# Altium PCB STM32F207VC.PcbDoc (part 14 of 16) (continued)
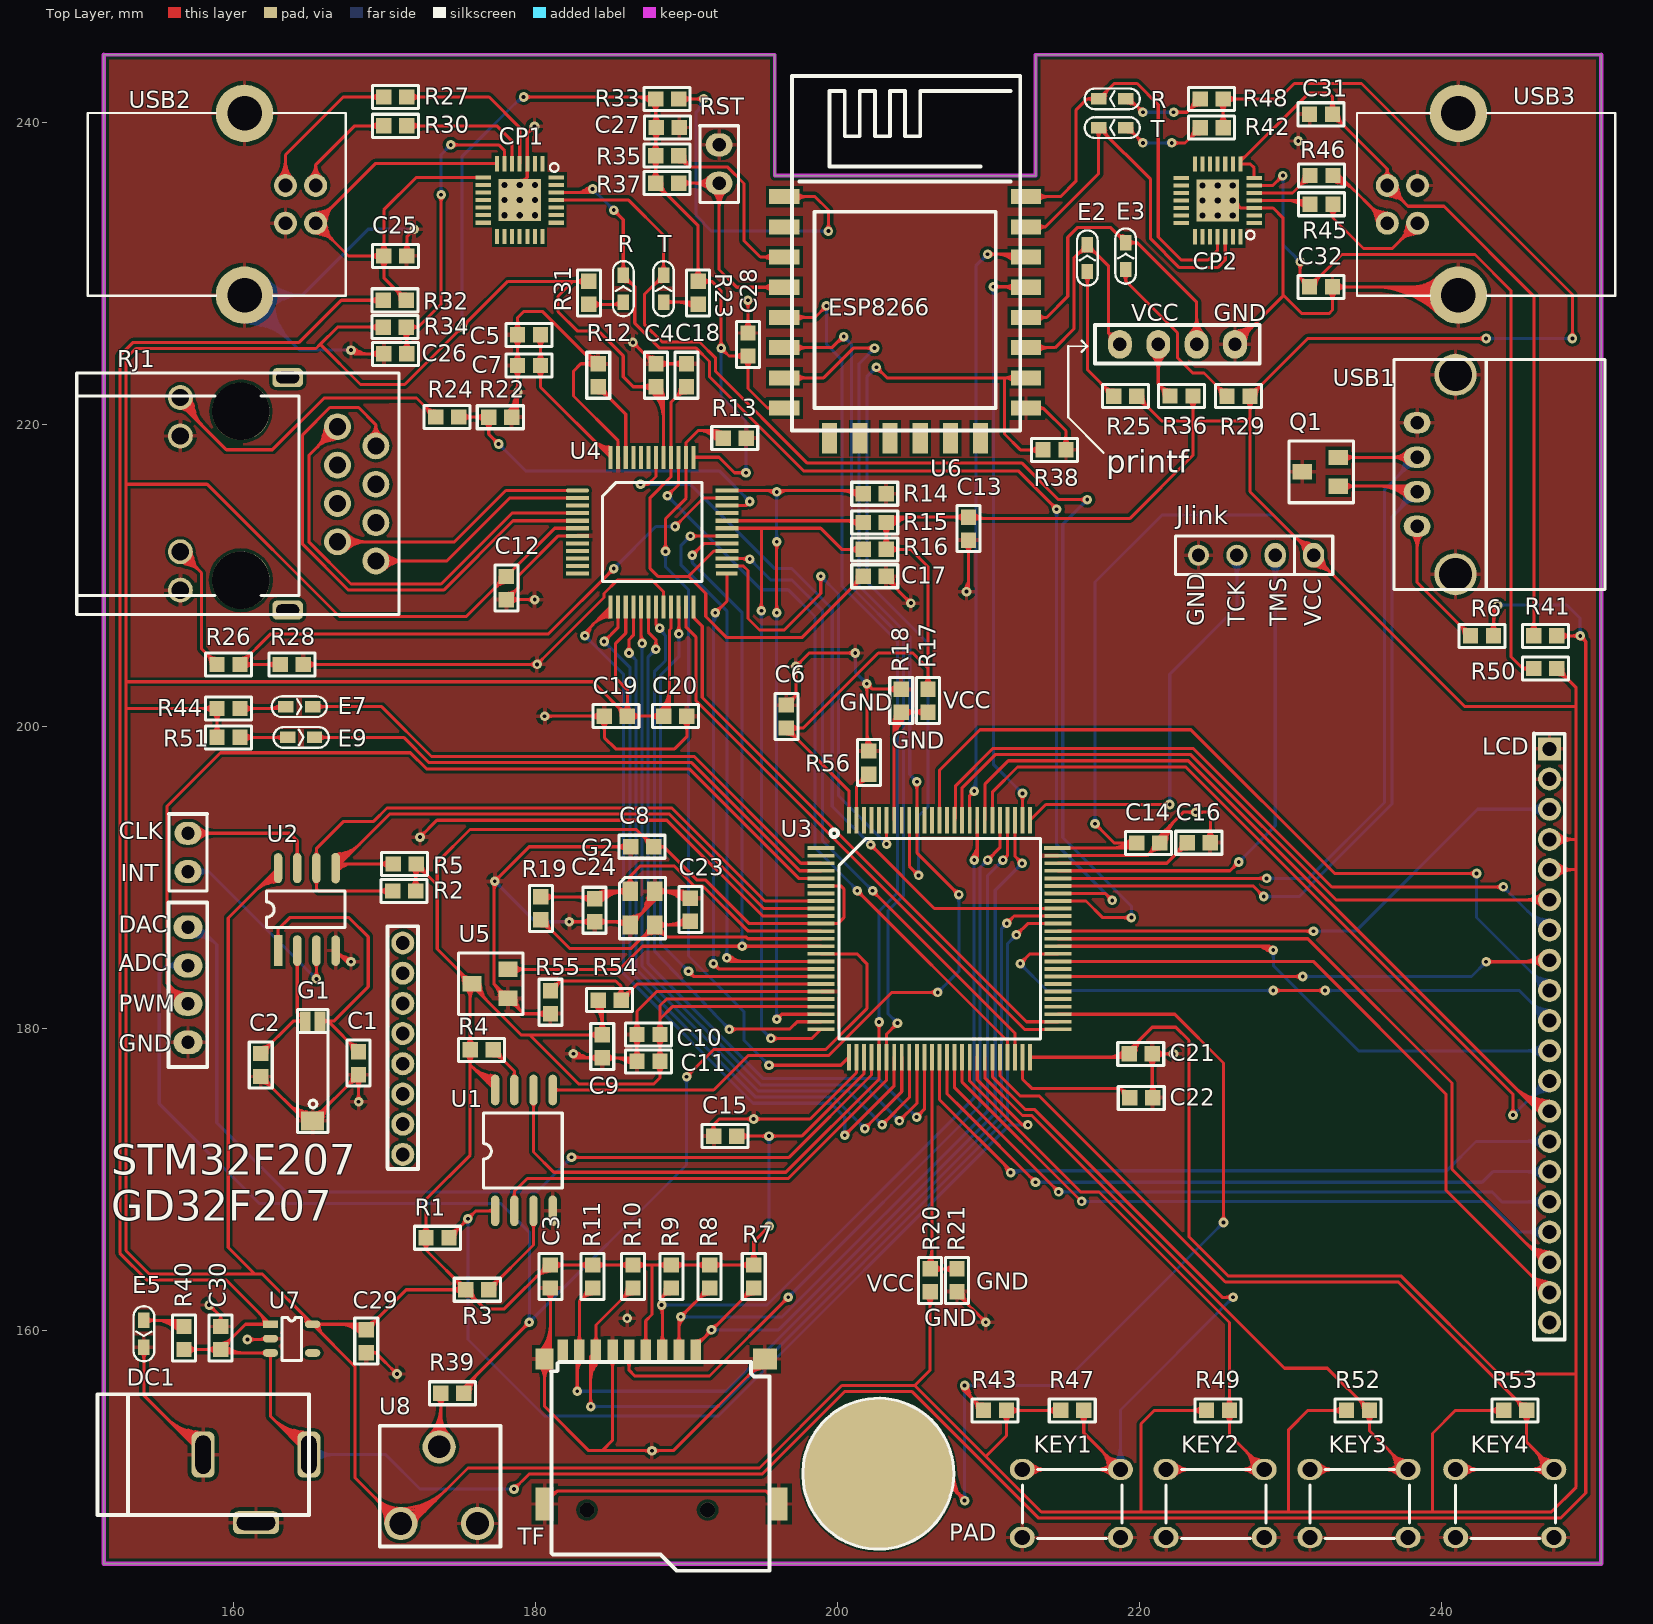
[diagram p0: Top Layer view]
## Nets (pads, with @x,y where several pads share a name; then routed paths per layer and width w, separated by ;. In a path a pad name is that pad's centre, name@x,y a point inside that pad or via, vN(x,y) a via of type N, cw(c..) or ccw(c..) an arc to the next point about the centre after c; other vN are vias at no path point) (continued)
R3.1@174.963,162.681 ; 174.676,163.375 ccw(c175.37,164.069) R3.1@175.37,163.087 ; 174.676,163.375 cw(c173.982,162.681) R3.1@174.963,162.681 ; 174.764,226.072 cw(c175.133,225.704) v1@175.133,226.225 ; 174.764,226.072 ccw(c174.396,226.441) v1@174.917,226.441 ; 174.764,226.072 cw(c175.133,225.704) v1@175.133,226.225 ; 174.764,226.072 ccw(c174.396,226.441) v1@174.917,226.441 ; 174.764,226.072 ccw(c174.396,226.441) v1@174.917,226.441 ; 174.764,226.072 cw(c175.133,225.704) v1@175.133,226.225 ; 174.764,226.072 ccw(c174.396,226.441) v1@174.917,226.441 ; 174.764,226.072 cw(c175.133,225.704) v1@175.133,226.225 ; 174.826,163.193 ccw(c175.512,163.377) R3.1@175.37,162.681 ; 174.826,163.193 ccw(c175.512,163.377) R3.1@175.37,162.681 ; 174.826,163.193 ccw(c175.512,163.377) R3.1@175.37,162.681 ; 174.826,163.193 ccw(c175.512,163.377) R3.1@175.37,162.681 ; 174.826,163.193 ccw(c175.512,163.377) R3.1@175.37,162.681 ; 174.826,163.193 ccw(c175.512,163.377) R3.1@175.37,162.681 ; 174.839,226.149 cw(c175.213,226.049) v1@175.136,226.429 ; 174.839,226.149 cw(c175.213,226.049) v1@175.136,226.429 ; 174.839,226.149 cw(c175.213,226.049) v1@175.136,226.429 ; 174.839,226.149 cw(c175.213,226.049) v1@175.136,226.429 ; 174.839,226.149 cw(c175.213,226.049) v1@175.136,226.429 ; 174.839,226.149 cw(c175.213,226.049) v1@175.136,226.429 ; 174.841,226.147 ccw(c174.741,226.521) v1@175.121,226.444 ; 174.841,226.147 ccw(c174.741,226.521) v1@175.121,226.444 ; 174.841,226.147 ccw(c174.741,226.521) v1@175.121,226.444 ; 174.841,226.147 ccw(c174.741,226.521) v1@175.121,226.444 ; 174.841,226.147 ccw(c174.741,226.521) v1@175.121,226.444 ; 174.841,226.147 ccw(c174.741,226.521) v1@175.121,226.444 ; 174.858,163.225 cw(c174.674,162.539) R3.1@175.37,162.681 ; 174.858,163.225 cw(c174.674,162.539) R3.1@175.37,162.681 ; 174.858,163.225 cw(c174.674,162.539) R3.1@175.37,162.681 ; 174.858,163.225 cw(c174.674,162.539) R3.1@175.37,162.681 ; 174.858,163.225 cw(c174.674,162.539) R3.1@175.37,162.681 ; 174.858,163.225 cw(c174.674,162.539) R3.1@175.37,162.681 ; 174.872,183.857 cw(c173.961,182.946) U5.3@175.249,182.946 ; 174.872,183.857 cw(c173.961,182.946) U5.3@175.249,182.946 ; 174.872,183.857 cw(c173.961,182.946) U5.3@175.249,182.946 ; 174.872,183.857 cw(c173.961,182.946) U5.3@175.249,182.946 ; 175.092,183.533 ccw(c175.907,183.752) U5.3@175.656,182.946 ; 175.092,183.533 ccw(c175.907,183.752) U5.3@175.656,182.946 ; 175.092,183.533 ccw(c175.907,183.752) U5.3@175.656,182.946 ; 175.092,183.533 ccw(c175.907,183.752) U5.3@175.656,182.946 ; 175.092,183.533 ccw(c175.907,183.752) U5.3@175.656,182.946 ; v1@175.13,226.453 ccw(c175.053,226.833) 175.427,226.733 ; v1@175.13,226.453 ccw(c175.053,226.833) 175.427,226.733 ; v1@175.13,226.453 ccw(c175.053,226.833) 175.427,226.733 ; v1@175.13,226.453 ccw(c175.053,226.833) 175.427,226.733 ; v1@175.13,226.453 ccw(c175.053,226.833) 175.427,226.733 ; v1@175.13,226.453 ccw(c175.053,226.833) 175.427,226.733 ; v1@175.133,226.657 ccw(c175.133,227.178) 175.502,226.81 ; v1@175.133,226.657 ccw(c175.133,227.178) 175.502,226.81 ; v1@175.133,226.657 ccw(c175.133,227.178) 175.502,226.81 ; v1@175.133,226.657 ccw(c175.133,227.178) 175.502,226.81 ; v1@175.145,226.438 cw(c175.525,226.361) 175.425,226.735 ; v1@175.145,226.438 cw(c175.525,226.361) 175.425,226.735 ; v1@175.145,226.438 cw(c175.525,226.361) 175.425,226.735 ; v1@175.145,226.438 cw(c175.525,226.361) 175.425,226.735 ; v1@175.145,226.438 cw(c175.525,226.361) 175.425,226.735 ; v1@175.145,226.438 cw(c175.525,226.361) 175.425,226.735 ; 175.179,183.55 ccw(c175.656,184.027) U5.3@175.656,183.352 ; 175.179,183.55 ccw(c175.656,184.027) U5.3@175.656,183.352 ; 175.179,183.55 ccw(c175.656,184.027) U5.3@175.656,183.352 ; 175.179,183.55 ccw(c175.656,184.027) U5.3@175.656,183.352 ; U5.3@175.187,183.177 ccw(c175.777,183.335) U5.3@175.595,182.752 ; U5.3@175.187,183.177 ccw(c175.777,183.335) U5.3@175.595,182.752 ; U5.3@175.187,183.177 ccw(c175.777,183.335) U5.3@175.595,182.752 ; U5.3@175.187,183.177 ccw(c175.777,183.335) U5.3@175.595,182.752 ; U5.3@175.187,183.177 ccw(c175.777,183.335) U5.3@175.595,182.752 ; 175.219,183.51 cw(c174.655,182.946) U5.3@175.452,182.946 ; 175.219,183.51 cw(c174.655,182.946) U5.3@175.452,182.946 ; 175.219,183.51 cw(c174.655,182.946) U5.3@175.452,182.946 ; 175.219,183.51 cw(c174.655,182.946) U5.3@175.452,182.946 ; v1@175.349,226.441 cw(c175.87,226.441) 175.502,226.81 ; v1@175.349,226.441 cw(c175.87,226.441) 175.502,226.81 ; v1@175.349,226.441 cw(c175.87,226.441) 175.502,226.81 ; v1@175.349,226.441 cw(c175.87,226.441) 175.502,226.81 ; U5.3@175.368,182.659 cw(c174.668,181.958) 175.658,181.958 ; U5.3@175.368,182.659 cw(c174.668,181.958) 175.658,181.958 ; U5.3@175.368,182.659 cw(c174.668,181.958) 175.658,181.958 ; U5.3@175.368,182.659 cw(c174.668,181.958) 175.658,181.958 ; R3.1@175.37,162.275 cw(c175.37,161.294) 176.063,161.987 ; R3.1@175.37,162.275 cw(c175.37,161.294) 176.063,161.987 ; R3.1@175.37,162.275 cw(c175.37,161.294) 176.063,161.987 ; R3.1@175.37,162.275 cw(c175.37,161.294) 176.063,161.987 ; R3.1@175.37,162.681 cw(c175.227,161.985) 175.913,162.169 ; R3.1@175.37,162.681 cw(c175.227,161.985) 175.913,162.169 ; R3.1@175.37,162.681 ccw(c176.065,162.824) 175.882,162.137 ; R3.1@175.37,162.681 ccw(c176.065,162.824) 175.882,162.137 ; R3.1@175.37,162.681 cw(c175.227,161.985) 175.913,162.169 ; R3.1@175.37,162.681 ccw(c176.065,162.824) 175.882,162.137 ; R3.1@175.37,162.681 ccw(c176.065,162.824) 175.882,162.137 ; R3.1@175.37,162.681 ccw(c176.065,162.824) 175.882,162.137 ; R3.1@175.37,162.681 ccw(c176.065,162.824) 175.882,162.137 ; R3.1@175.37,162.681 cw(c175.227,161.985) 175.913,162.169 ; R3.1@175.37,162.681 cw(c175.227,161.985) 175.913,162.169 ; R3.1@175.37,162.681 cw(c175.227,161.985) 175.913,162.169 ; R3.1@175.37,162.681 176.634,161.417 177.927,161.417 180.831,164.321 C3.1@180.969,164.321 ; R4.2@175.371,178.281 cw(c174.677,177.587) 175.658,177.587 ; R4.2@175.371,178.281 cw(c174.677,177.587) 175.658,177.587 ; R4.2@175.371,178.281 cw(c174.677,177.587) 175.658,177.587 ; R4.2@175.371,178.281 cw(c174.677,177.587) 175.658,177.587 ; R4.2@175.371,178.855 ccw(c174.677,179.549) 175.658,179.549 ; R4.2@175.371,178.855 ccw(c174.677,179.549) 175.658,179.549 ; R4.2@175.371,178.855 ccw(c174.677,179.549) 175.658,179.549 ; R4.2@175.371,178.855 ccw(c174.677,179.549) 175.658,179.549 ; 175.658,177.567 R4.2@175.658,178.568 175.658,182.822 U5.3@175.783,182.946 ; 175.658,177.587 cw(c176.64,177.587) R4.2@175.946,178.281 ; 175.658,177.587 cw(c176.64,177.587) R4.2@175.946,178.281 ; 175.658,177.587 cw(c176.64,177.587) R4.2@175.946,178.281 ; 175.658,177.587 cw(c176.64,177.587) R4.2@175.946,178.281 ; 175.658,179.549 ccw(c176.64,179.549) R4.2@175.946,178.855 ; 175.658,179.549 ccw(c176.64,179.549) R4.2@175.946,178.855 ; 175.658,179.549 ccw(c176.64,179.549) R4.2@175.946,178.855 ; 175.658,179.549 ccw(c176.64,179.549) R4.2@175.946,178.855 ; 175.658,181.972 cw(c176.63,181.972) U5.3@175.943,182.659 ; 175.658,181.972 cw(c176.63,181.972) U5.3@175.943,182.659 ; 175.658,181.972 cw(c176.63,181.972) U5.3@175.943,182.659 ; 175.658,181.972 cw(c176.63,181.972) U5.3@175.943,182.659 ; 175.755,177.47 ccw(c177.316,179.031) U1.8@177.316,176.824 ; 175.755,177.47 ccw(c177.316,179.031) U1.8@177.316,176.824 ; 175.755,177.47 ccw(c177.316,179.031) U1.8@177.316,176.824 ; 175.755,177.47 ccw(c177.316,179.031) U1.8@177.316,176.824 ; R3.1@175.776,162.681 ccw(c176.757,162.681) 176.063,161.987 ; R3.1@175.776,162.681 ccw(c176.757,162.681) 176.063,161.987 ; R3.1@175.776,162.681 ccw(c176.757,162.681) 176.063,161.987 ; R3.1@175.776,162.681 ccw(c176.757,162.681) 176.063,161.987 ; U5.3@175.783,182.946 175.783,182.807 179.029,179.561 179.705,179.561 ; U5.3@175.868,182.747 cw(c175.762,182.235) 176.267,182.37 ; U5.3@175.868,182.747 cw(c175.762,182.235) 176.267,182.37 ; U5.3@175.868,182.747 cw(c175.762,182.235) 176.267,182.37 ; U5.3@175.868,182.747 cw(c175.762,182.235) 176.267,182.37 ; U5.3@175.868,182.747 cw(c175.762,182.235) 176.267,182.37 ; U5.3@175.868,182.747 cw(c175.762,182.235) 176.267,182.37 ; U5.3@175.91,182.54 cw(c175.91,182.2) U5.3@176.15,182.44 ; U5.3@175.91,182.54 cw(c175.91,182.2) U5.3@176.15,182.44 ; U5.3@175.91,182.54 cw(c175.91,182.2) U5.3@176.15,182.44 ; U5.3@175.91,182.54 cw(c175.91,182.2) U5.3@176.15,182.44 ; U5.3@175.91,182.946 cw(c175.521,182.015) 176.495,182.276 ; U5.3@175.91,182.946 cw(c175.521,182.015) 176.495,182.276 ; U5.3@175.91,182.946 cw(c175.521,182.015) 176.495,182.276 ; U5.3@175.91,182.946 cw(c175.521,182.015) 176.495,182.276 ; U5.3@175.91,182.946 cw(c175.521,182.015) 176.495,182.276 ; U5.3@175.988,183.134 cw(c175.722,182.497) U5.3@176.388,182.676 ; U5.3@175.988,183.134 cw(c175.722,182.497) U5.3@176.388,182.676 ; U5.3@175.988,183.134 cw(c175.722,182.497) U5.3@176.388,182.676 ; U5.3@175.988,183.134 cw(c175.722,182.497) U5.3@176.388,182.676 ; U5.3@175.988,183.134 cw(c175.722,182.497) U5.3@176.388,182.676 ; 176.102,177.123 ccw(c177.316,178.338) U1.8@177.316,176.621 ; 176.102,177.123 ccw(c177.316,178.338) U1.8@177.316,176.621 ; 176.102,177.123 ccw(c177.316,178.338) U1.8@177.316,176.621 ; 176.102,177.123 ccw(c177.316,178.338) U1.8@177.316,176.621 ; U5.3@176.113,182.946 ccw(c177.245,182.946) 176.444,182.145 ; U5.3@176.113,182.946 ccw(c177.245,182.946) 176.444,182.145 ; U5.3@176.113,182.946 ccw(c177.245,182.946) 176.444,182.145 ; U5.3@176.113,182.946 ccw(c177.245,182.946) 176.444,182.145 ; U5.3@176.23,182.507 cw(c176.531,182.587) U5.3@176.261,182.743 ; U5.3@176.23,182.507 cw(c176.531,182.587) U5.3@176.261,182.743 ; U5.3@176.23,182.507 cw(c176.531,182.587) U5.3@176.261,182.743 ; U5.3@176.23,182.507 cw(c176.531,182.587) U5.3@176.261,182.743 ; U5.3@176.23,182.507 cw(c176.531,182.587) U5.3@176.261,182.743 ; U5.3@176.23,182.507 cw(c176.531,182.587) U5.3@176.261,182.743 ; U5.3@176.316,182.946 ccw(c177.939,182.946) 176.791,181.798 ; U5.3@176.316,182.946 ccw(c177.939,182.946) 176.791,181.798 ; U5.3@176.316,182.946 ccw(c177.939,182.946) 176.791,181.798 ; U5.3@176.316,182.946 ccw(c177.939,182.946) 176.791,181.798 ; 176.449,176.777 ccw(c177.316,177.644) U1.8@177.316,176.417 ; 176.449,176.777 ccw(c177.316,177.644) U1.8@177.316,176.417 ; 176.449,176.777 ccw(c177.316,177.644) U1.8@177.316,176.417 ; 176.449,176.777 ccw(c177.316,177.644) U1.8@177.316,176.417 ; 176.519,176.988 cw(c176.312,175.985) U1.8@177.167,176.548 ; 176.519,176.988 cw(c176.312,175.985) U1.8@177.167,176.548 ; 176.519,176.988 cw(c176.312,175.985) U1.8@177.167,176.548 ; 176.519,176.988 cw(c176.312,175.985) U1.8@177.167,176.548 ; 176.519,176.988 cw(c176.312,175.985) U1.8@177.167,176.548 ; 176.796,176.43 ccw(c177.316,176.95) U1.8@177.316,176.214 ; 176.796,176.43 ccw(c177.316,176.95) U1.8@177.316,176.214 ; 176.796,176.43 ccw(c177.316,176.95) U1.8@177.316,176.214 ; 176.796,176.43 ccw(c177.316,176.95) U1.8@177.316,176.214 ; 176.838,176.749 ccw(c176.971,177.244) U1.8@177.227,176.8 ; 176.838,176.749 ccw(c176.971,177.244) U1.8@177.227,176.8 ; 176.838,176.749 ccw(c176.971,177.244) U1.8@177.227,176.8 ; 176.838,176.749 ccw(c176.971,177.244) U1.8@177.227,176.8 ; 176.838,176.749 ccw(c176.971,177.244) U1.8@177.227,176.8 ; 176.838,176.749 ccw(c176.971,177.244) U1.8@177.227,176.8 ; 176.952,176.718 cw(c176.863,176.384) U1.8@177.162,176.557 ; 176.952,176.718 cw(c176.863,176.384) U1.8@177.162,176.557 ; 176.952,176.718 cw(c176.863,176.384) U1.8@177.162,176.557 ; 176.952,176.718 cw(c176.863,176.384) U1.8@177.162,176.557 ; 176.952,176.718 cw(c176.863,176.384) U1.8@177.162,176.557 ; 176.952,176.718 cw(c176.863,176.384) U1.8@177.162,176.557 ; 176.999,176.889 cw(c176.892,176.367) U1.8@177.337,176.66 ; 176.999,176.889 cw(c176.892,176.367) U1.8@177.337,176.66 ; 176.999,176.889 cw(c176.892,176.367) U1.8@177.337,176.66 ; 176.999,176.889 cw(c176.892,176.367) U1.8@177.337,176.66 ; 176.999,176.889 cw(c176.892,176.367) U1.8@177.337,176.66 ; U1.8@177.143,176.083 ccw(c177.316,176.256) U1.8@177.316,176.011 ; U1.8@177.143,176.083 ccw(c177.316,176.256) U1.8@177.316,176.011 ; U1.8@177.143,176.083 ccw(c177.316,176.256) U1.8@177.316,176.011 ; U1.8@177.143,176.083 ccw(c177.316,176.256) U1.8@177.316,176.011 ; 177.366,209.22 cw(c178.06,208.526) C12.2@178.06,209.507 ; 177.366,209.22 ccw(c176.672,209.914) C12.2@177.654,209.914 ; 177.366,209.22 cw(c178.06,208.526) C12.2@178.06,209.507 ; 177.366,209.22 ccw(c176.672,209.914) C12.2@177.654,209.914 ; 177.366,209.22 ccw(c176.672,209.914) C12.2@177.654,209.914 ; 177.366,209.22 cw(c178.06,208.526) C12.2@178.06,209.507 ; 177.366,209.22 ccw(c176.672,209.914) C12.2@177.654,209.914 ; 177.366,209.22 cw(c178.06,208.526) C12.2@178.06,209.507 ; 177.516,209.402 cw(c178.202,209.218) C12.2@178.06,209.914 ; 177.516,209.402 cw(c178.202,209.218) C12.2@178.06,209.914 ; 177.516,209.402 cw(c178.202,209.218) C12.2@178.06,209.914 ; 177.516,209.402 cw(c178.202,209.218) C12.2@178.06,209.914 ; 177.516,209.402 cw(c178.202,209.218) C12.2@178.06,209.914 ; 177.516,209.402 cw(c178.202,209.218) C12.2@178.06,209.914 ; 177.548,209.37 ccw(c177.364,210.056) C12.2@178.06,209.914 ; 177.548,209.37 ccw(c177.364,210.056) C12.2@178.06,209.914 ; 177.548,209.37 ccw(c177.364,210.056) C12.2@178.06,209.914 ; 177.548,209.37 ccw(c177.364,210.056) C12.2@178.06,209.914 ; 177.548,209.37 ccw(c177.364,210.056) C12.2@178.06,209.914 ; 177.548,209.37 ccw(c177.364,210.056) C12.2@178.06,209.914 ; v1@179.356,241.522 cw(c179.724,241.154) 179.724,241.675 ; v1@179.356,241.522 cw(c179.724,241.154) 179.724,241.675 ; v1@179.356,241.522 cw(c179.724,241.154) 179.724,241.675 ; v1@179.356,241.522 cw(c179.724,241.154) 179.724,241.675 ; v1@179.356,241.828 ccw(c179.724,242.196) 179.724,241.675 ; v1@179.356,241.828 ccw(c179.724,242.196) 179.724,241.675 ; v1@179.356,241.828 ccw(c179.724,242.196) 179.724,241.675 ; v1@179.356,241.828 ccw(c179.724,242.196) 179.724,241.675 ; 179.705,179.561 179.705,179.451 182.84,176.316 187.833,176.316 188.231,176.714 C11.1@188.231,177.806 C10.1@188.231,179.584 188.231,180.611 ; 179.705,179.561 C9.2@184.41,179.561 184.41,181.581 R54.1@184.133,181.858 ; 180.039,163.529 cw(c180.969,162.599) C3.1@180.969,163.914 ; 180.039,163.529 cw(c180.969,162.599) C3.1@180.969,163.914 ; 180.039,163.529 cw(c180.969,162.599) C3.1@180.969,163.914 ; 180.039,163.529 cw(c180.969,162.599) C3.1@180.969,163.914 ; 180.373,163.863 ccw(c179.916,164.321) C3.1@180.563,164.321 ; 180.373,163.863 ccw(c179.916,164.321) C3.1@180.563,164.321 ; 180.373,163.863 ccw(c179.916,164.321) C3.1@180.563,164.321 ; 180.373,163.863 ccw(c179.916,164.321) C3.1@180.563,164.321 ; 180.375,163.755 ccw(c180.153,164.583) C3.1@180.969,164.321 ; 180.375,163.755 ccw(c180.153,164.583) C3.1@180.969,164.321 ; 180.375,163.755 ccw(c180.153,164.583) C3.1@180.969,164.321 ; 180.375,163.755 ccw(c180.153,164.583) C3.1@180.969,164.321 ; 180.375,163.755 ccw(c180.153,164.583) C3.1@180.969,164.321 ; 180.375,163.755 ccw(c180.153,164.583) C3.1@180.969,164.321 ; 180.386,163.876 cw(c180.969,163.293) C3.1@180.969,164.117 ; 180.386,163.876 cw(c180.969,163.293) C3.1@180.969,164.117 ; 180.386,163.876 cw(c180.969,163.293) C3.1@180.969,164.117 ; 180.386,163.876 cw(c180.969,163.293) C3.1@180.969,164.117 ; C3.1@180.735,163.852 ccw(c180.575,164.447) C3.1@181.163,164.258 ; C3.1@180.735,163.852 ccw(c180.575,164.447) C3.1@181.163,164.258 ; C3.1@180.735,163.852 ccw(c180.575,164.447) C3.1@181.163,164.258 ; C3.1@180.735,163.852 ccw(c180.575,164.447) C3.1@181.163,164.258 ; C3.1@180.735,163.852 ccw(c180.575,164.447) C3.1@181.163,164.258 ; C3.1@180.735,163.852 ccw(c180.575,164.447) C3.1@181.163,164.258 ; C3.1@180.969,164.321 R11.2@183.775,164.321 R10.2@186.442,164.321 187.706,164.321 ; C3.1@181.256,164.033 cw(c181.95,163.339) 181.95,164.321 ; C3.1@181.256,164.033 cw(c181.95,163.339) 181.95,164.321 ; C3.1@181.256,164.033 cw(c181.95,163.339) 181.95,164.321 ; C3.1@181.256,164.033 cw(c181.95,163.339) 181.95,164.321 ; C3.1@181.256,164.608 ccw(c181.95,165.302) 181.95,164.321 ; C3.1@181.256,164.608 ccw(c181.95,165.302) 181.95,164.321 ; C3.1@181.256,164.608 ccw(c181.95,165.302) 181.95,164.321 ; C3.1@181.256,164.608 ccw(c181.95,165.302) 181.95,164.321 ; 182.474,229.464 181.483,228.473 181.483,227.457 182.753,226.187 184.15,226.187 185.801,224.536 185.801,223.139 186.453,222.487 C4.1@187.966,222.487 ; 182.54,229.464 cw(c182.54,228.482) R31.2@183.234,229.176 ; 182.54,229.464 ccw(c182.54,230.445) R31.2@183.234,229.751 ; 182.54,229.464 cw(c182.54,228.482) R31.2@183.234,229.176 ; 182.54,229.464 ccw(c182.54,230.445) R31.2@183.234,229.751 ; 182.54,229.464 ccw(c182.54,230.445) R31.2@183.234,229.751 ; 182.54,229.464 cw(c182.54,228.482) R31.2@183.234,229.176 ; 182.54,229.464 ccw(c182.54,230.445) R31.2@183.234,229.751 ; 182.54,229.464 cw(c182.54,228.482) R31.2@183.234,229.176 ; 182.794,164.321 cw(c182.794,163.339) R11.2@183.488,164.033 ; 182.794,164.321 ccw(c182.794,165.302) R11.2@183.488,164.608 ; 182.794,164.321 cw(c182.794,163.339) R11.2@183.488,164.033 ; 182.794,164.321 ccw(c182.794,165.302) R11.2@183.488,164.608 ; 182.794,164.321 ccw(c182.794,165.302) R11.2@183.488,164.608 ; 182.794,164.321 cw(c182.794,163.339) R11.2@183.488,164.033 ; 182.794,164.321 ccw(c182.794,165.302) R11.2@183.488,164.608 ; 182.794,164.321 cw(c182.794,163.339) R11.2@183.488,164.033 ; 183.429,179.561 cw(c183.429,178.579) C9.2@184.123,179.273 ; 183.429,179.561 ccw(c183.429,180.542) C9.2@184.123,179.848 ; 183.429,179.561 cw(c183.429,178.579) C9.2@184.123,179.273 ; 183.429,179.561 ccw(c183.429,180.542) C9.2@184.123,179.848 ; 183.429,179.561 ccw(c183.429,180.542) C9.2@184.123,179.848 ; 183.429,179.561 cw(c183.429,178.579) C9.2@184.123,179.273 ; 183.429,179.561 ccw(c183.429,180.542) C9.2@184.123,179.848 ; 183.429,179.561 cw(c183.429,178.579) C9.2@184.123,179.273 ; R54.1@183.845,181.571 cw(c182.482,180.207) 184.41,180.207 ; R54.1@183.845,181.571 cw(c182.482,180.207) 184.41,180.207 ; R54.1@183.845,181.571 cw(c182.482,180.207) 184.41,180.207 ; R54.1@183.845,181.571 cw(c182.482,180.207) 184.41,180.207 ; R54.1@183.989,181.714 cw(c182.973,180.698) 184.41,180.698 ; R54.1@183.989,181.714 cw(c182.973,180.698) 184.41,180.698 ; R54.1@183.989,181.714 cw(c182.973,180.698) 184.41,180.698 ; R54.1@183.989,181.714 cw(c182.973,180.698) 184.41,180.698 ; R54.1@184.027,181.466 cw(c183.947,181.165) 184.216,181.321 ; R54.1@184.027,181.466 cw(c183.947,181.165) 184.216,181.321 ; R54.1@184.027,181.466 cw(c183.947,181.165) 184.216,181.321 ; R54.1@184.027,181.466 cw(c183.947,181.165) 184.216,181.321 ; R54.1@184.027,181.466 cw(c183.947,181.165) 184.216,181.321 ; R54.1@184.027,181.466 cw(c183.947,181.165) 184.216,181.321 ; R11.2@184.062,164.033 cw(c184.756,163.339) 184.756,164.321 ; R11.2@184.062,164.033 cw(c184.756,163.339) 184.756,164.321 ; R11.2@184.062,164.033 cw(c184.756,163.339) 184.756,164.321 ; R11.2@184.062,164.033 cw(c184.756,163.339) 184.756,164.321 ; R11.2@184.062,164.608 ccw(c184.756,165.302) 184.756,164.321 ; R11.2@184.062,164.608 ccw(c184.756,165.302) 184.756,164.321 ; R11.2@184.062,164.608 ccw(c184.756,165.302) 184.756,164.321 ; R11.2@184.062,164.608 ccw(c184.756,165.302) 184.756,164.321 ; C9.2@184.123,179.848 ccw(c183.429,180.542) 184.41,180.542 ; C9.2@184.123,179.848 ccw(c183.429,180.542) 184.41,180.542 ; C9.2@184.123,179.848 ccw(c183.429,180.542) 184.41,180.542 ; C9.2@184.123,179.848 ccw(c183.429,180.542) 184.41,180.542 ; R54.1@184.133,181.858 cw(c183.463,181.189) 184.41,181.189 ; R54.1@184.133,181.858 cw(c183.463,181.189) 184.41,181.189 ; R54.1@184.133,181.858 cw(c183.463,181.189) 184.41,181.189 ; R54.1@184.133,181.858 cw(c183.463,181.189) 184.41,181.189 ; 184.304,181.168 cw(c184.549,181.309) R54.1@184.378,181.534 ; 184.304,181.168 cw(c184.549,181.309) R54.1@184.378,181.534 ; 184.304,181.168 cw(c184.549,181.309) R54.1@184.378,181.534 ; 184.304,181.168 cw(c184.549,181.309) R54.1@184.378,181.534 ; 184.304,181.168 cw(c184.549,181.309) R54.1@184.378,181.534 ; 184.304,181.168 cw(c184.549,181.309) R54.1@184.378,181.534 ; 184.41,180.542 ccw(c185.391,180.542) C9.2@184.697,179.848 ; 184.41,180.542 ccw(c185.391,180.542) C9.2@184.697,179.848 ; 184.41,180.542 ccw(c185.391,180.542) C9.2@184.697,179.848 ; 184.41,180.542 ccw(c185.391,180.542) C9.2@184.697,179.848 ; 185.379,201.36 cw(c184.685,200.666) C19.1@185.666,200.666 ; 185.379,201.36 ccw(c186.072,202.053) C19.1@186.072,201.072 ; 185.379,201.36 cw(c184.685,200.666) C19.1@185.666,200.666 ; 185.379,201.36 ccw(c186.072,202.053) C19.1@186.072,201.072 ; 185.379,201.36 ccw(c186.072,202.053) C19.1@186.072,201.072 ; 185.379,201.36 cw(c184.685,200.666) C19.1@185.666,200.666 ; 185.379,201.36 ccw(c186.072,202.053) C19.1@186.072,201.072 ; 185.379,201.36 cw(c184.685,200.666) C19.1@185.666,200.666 ; 185.461,164.321 cw(c185.461,163.339) R10.2@186.155,164.033 ; 185.461,164.321 ccw(c185.461,165.302) R10.2@186.155,164.608 ; 185.461,164.321 cw(c185.461,163.339) R10.2@186.155,164.033 ; 185.461,164.321 ccw(c185.461,165.302) R10.2@186.155,164.608 ; 185.461,164.321 ccw(c185.461,165.302) R10.2@186.155,164.608 ; 185.461,164.321 cw(c185.461,163.339) R10.2@186.155,164.033 ; 185.461,164.321 ccw(c185.461,165.302) R10.2@186.155,164.608 ; 185.461,164.321 cw(c185.461,163.339) R10.2@186.155,164.033 ; 185.529,201.178 ccw(c186.215,201.362) C19.1@186.072,200.666 ; 185.529,201.178 ccw(c186.215,201.362) C19.1@186.072,200.666 ; 185.529,201.178 ccw(c186.215,201.362) C19.1@186.072,200.666 ; 185.529,201.178 ccw(c186.215,201.362) C19.1@186.072,200.666 ; 185.529,201.178 ccw(c186.215,201.362) C19.1@186.072,200.666 ; 185.529,201.178 ccw(c186.215,201.362) C19.1@186.072,200.666 ; 185.56,201.21 cw(c185.377,200.523) C19.1@186.072,200.666 ; 185.56,201.21 cw(c185.377,200.523) C19.1@186.072,200.666 ; 185.56,201.21 cw(c185.377,200.523) C19.1@186.072,200.666 ; 185.56,201.21 cw(c185.377,200.523) C19.1@186.072,200.666 ; 185.56,201.21 cw(c185.377,200.523) C19.1@186.072,200.666 ; 185.56,201.21 cw(c185.377,200.523) C19.1@186.072,200.666 ; C19.1@185.785,200.953 ccw(c185.091,201.647) 186.072,201.647 ; C19.1@185.785,200.953 ccw(c185.091,201.647) 186.072,201.647 ; C19.1@185.785,200.953 ccw(c185.091,201.647) 186.072,201.647 ; C19.1@185.785,200.953 ccw(c185.091,201.647) 186.072,201.647 ; C19.1@186.072,200.666 C20.2@188.485,200.666 ; 186.072,201.647 ccw(c187.054,201.647) C19.1@186.36,200.953 ; 186.072,201.647 ccw(c187.054,201.647) C19.1@186.36,200.953 ; 186.072,201.647 ccw(c187.054,201.647) C19.1@186.36,200.953 ; 186.072,201.647 ccw(c187.054,201.647) C19.1@186.36,200.953 ; C19.1@186.36,200.379 cw(c187.054,199.685) 187.054,200.666 ; C19.1@186.36,200.379 cw(c187.054,199.685) 187.054,200.666 ; C19.1@186.36,200.379 cw(c187.054,199.685) 187.054,200.666 ; C19.1@186.36,200.379 cw(c187.054,199.685) 187.054,200.666 ; C19.1@186.36,200.953 ccw(c187.054,201.647) 187.054,200.666 ; C19.1@186.36,200.953 ccw(c187.054,201.647) 187.054,200.666 ; C19.1@186.36,200.953 ccw(c187.054,201.647) 187.054,200.666 ; C19.1@186.36,200.953 ccw(c187.054,201.647) 187.054,200.666 ; 186.655,241.675 cw(c186.655,240.26) R33.1@187.655,241.261 ; 186.655,241.675 cw(c186.655,240.26) R33.1@187.655,241.261 ; 186.655,241.675 cw(c186.655,240.26) R33.1@187.655,241.261 ; 186.655,241.675 cw(c186.655,240.26) R33.1@187.655,241.261 ; R10.2@186.729,164.033 cw(c187.423,163.339) 187.423,164.321 ; R10.2@186.729,164.033 cw(c187.423,163.339) 187.423,164.321 ; R10.2@186.729,164.033 cw(c187.423,163.339) 187.423,164.321 ; R10.2@186.729,164.033 cw(c187.423,163.339) 187.423,164.321 ; R10.2@186.729,164.608 ccw(c187.423,165.302) 187.423,164.321 ; R10.2@186.729,164.608 ccw(c187.423,165.302) 187.423,164.321 ; R10.2@186.729,164.608 ccw(c187.423,165.302) 187.423,164.321 ; R10.2@186.729,164.608 ccw(c187.423,165.302) 187.423,164.321 ; 186.985,222.487 cw(c186.985,221.505) C4.1@187.679,222.199 ; 186.985,222.487 ccw(c186.985,223.468) C4.1@187.679,222.774 ; 186.985,222.487 cw(c186.985,221.505) C4.1@187.679,222.199 ; 186.985,222.487 ccw(c186.985,223.468) C4.1@187.679,222.774 ; 186.985,222.487 ccw(c186.985,223.468) C4.1@187.679,222.774 ; 186.985,222.487 cw(c186.985,221.505) C4.1@187.679,222.199 ; 186.985,222.487 ccw(c186.985,223.468) C4.1@187.679,222.774 ; 186.985,222.487 cw(c186.985,221.505) C4.1@187.679,222.199 ; TF.4@187.115,159.219 ccw(c186.691,159.643) 187.291,159.643 ; TF.4@187.115,159.219 ccw(c186.691,159.643) 187.291,159.643 ; TF.4@187.115,159.219 ccw(c186.691,159.643) 187.291,159.643 ; TF.4@187.115,159.219 ccw(c186.691,159.643) 187.291,159.643 ; 187.122,192.712 cw(c186.428,192.018) C8.2@187.409,192.018 ; 187.122,192.712 ccw(c187.816,193.406) C8.2@187.816,192.424 ; 187.122,192.712 cw(c186.428,192.018) C8.2@187.409,192.018 ; 187.122,192.712 ccw(c187.816,193.406) C8.2@187.816,192.424 ; 187.122,192.712 ccw(c187.816,193.406) C8.2@187.816,192.424 ; 187.122,192.712 cw(c186.428,192.018) C8.2@187.409,192.018 ; 187.122,192.712 ccw(c187.816,193.406) C8.2@187.816,192.424 ; 187.122,192.712 cw(c186.428,192.018) C8.2@187.409,192.018 ; 187.145,241.675 cw(c187.145,240.751) R33.1@187.799,241.404 ; 187.145,241.675 cw(c187.145,240.751) R33.1@187.799,241.404 ; 187.145,241.675 cw(c187.145,240.751) R33.1@187.799,241.404 ; 187.145,241.675 cw(c187.145,240.751) R33.1@187.799,241.404 ; 187.268,241.675 ccw(c187.268,242.223) R33.1@187.655,241.835 ; 187.268,241.675 ccw(c187.268,242.223) R33.1@187.655,241.835 ; 187.268,241.675 ccw(c187.268,242.223) R33.1@187.655,241.835 ; 187.268,241.675 ccw(c187.268,242.223) R33.1@187.655,241.835 ; 187.272,192.53 ccw(c187.958,192.714) C8.2@187.816,192.018 ; 187.272,192.53 ccw(c187.958,192.714) C8.2@187.816,192.018 ; 187.272,192.53 ccw(c187.958,192.714) C8.2@187.816,192.018 ; 187.272,192.53 ccw(c187.958,192.714) C8.2@187.816,192.018 ; 187.272,192.53 ccw(c187.958,192.714) C8.2@187.816,192.018 ; 187.272,192.53 ccw(c187.958,192.714) C8.2@187.816,192.018 ; 187.291,159.643 ccw(c187.891,159.643) TF.4@187.467,159.219 ; 187.291,159.643 ccw(c187.891,159.643) TF.4@187.467,159.219 ; 187.291,159.643 ccw(c187.891,159.643) TF.4@187.467,159.219 ; 187.291,159.643 ccw(c187.891,159.643) TF.4@187.467,159.219 ; 187.304,192.562 cw(c187.12,191.876) C8.2@187.816,192.018 ; 187.304,192.562 cw(c187.12,191.876) C8.2@187.816,192.018 ; 187.304,192.562 cw(c187.12,191.876) C8.2@187.816,192.018 ; 187.304,192.562 cw(c187.12,191.876) C8.2@187.816,192.018 ; 187.304,192.562 cw(c187.12,191.876) C8.2@187.816,192.018 ; 187.304,192.562 cw(c187.12,191.876) C8.2@187.816,192.018 ; 187.504,200.666 cw(c187.504,199.685) C20.2@188.198,200.379 ; 187.504,200.666 ccw(c187.504,201.647) C20.2@188.198,200.953 ; 187.504,200.666 cw(c187.504,199.685) C20.2@188.198,200.379 ; 187.504,200.666 ccw(c187.504,201.647) C20.2@188.198,200.953 ; 187.504,200.666 ccw(c187.504,201.647) C20.2@188.198,200.953 ; 187.504,200.666 cw(c187.504,199.685) C20.2@188.198,200.379 ; 187.504,200.666 ccw(c187.504,201.647) C20.2@188.198,200.953 ; 187.504,200.666 cw(c187.504,199.685) C20.2@188.198,200.379 ; R37.2@187.655,236.259 ccw(c186.961,236.953) 187.943,236.953 ; R37.2@187.655,236.259 ccw(c186.961,236.953) 187.943,236.953 ; R37.2@187.655,236.259 ccw(c186.961,236.953) 187.943,236.953 ; R37.2@187.655,236.259 ccw(c186.961,236.953) 187.943,236.953 ; R35.1@187.655,237.505 cw(c186.961,236.811) 187.943,236.811 ; R35.1@187.655,237.505 cw(c186.961,236.811) 187.943,236.811 ; R35.1@187.655,237.505 cw(c186.961,236.811) 187.943,236.811 ; R35.1@187.655,237.505 cw(c186.961,236.811) 187.943,236.811 ; R35.1@187.655,238.08 ccw(c186.961,238.773) 187.943,238.773 ; R35.1@187.655,238.08 ccw(c186.961,238.773) 187.943,238.773 ; R35.1@187.655,238.08 ccw(c186.961,238.773) 187.943,238.773 ; R35.1@187.655,238.08 ccw(c186.961,238.773) 187.943,238.773 ; R33.1@187.655,241.261 cw(c186.961,240.567) 187.943,240.567 ; R33.1@187.655,241.261 cw(c186.961,240.567) 187.943,240.567 ; R33.1@187.655,241.261 cw(c186.961,240.567) 187.943,240.567 ; R33.1@187.655,241.261 cw(c186.961,240.567) 187.943,240.567 ; C4.1@187.679,222.199 cw(c185.779,220.3) 188.465,220.3 ; C4.1@187.679,222.199 cw(c185.779,220.3) 188.465,220.3 ; C4.1@187.679,222.199 cw(c185.779,220.3) 188.465,220.3 ; C4.1@187.679,222.199 cw(c185.779,220.3) 188.465,220.3 ; C27.2@187.69,239.368 cw(c187.08,238.758) 187.943,238.758 ; C27.2@187.69,239.368 cw(c187.08,238.758) 187.943,238.758 ; C27.2@187.69,239.368 cw(c187.08,238.758) 187.943,238.758